# Altium PCB SI942C.PcbDoc (part 1 of 3) (continued)
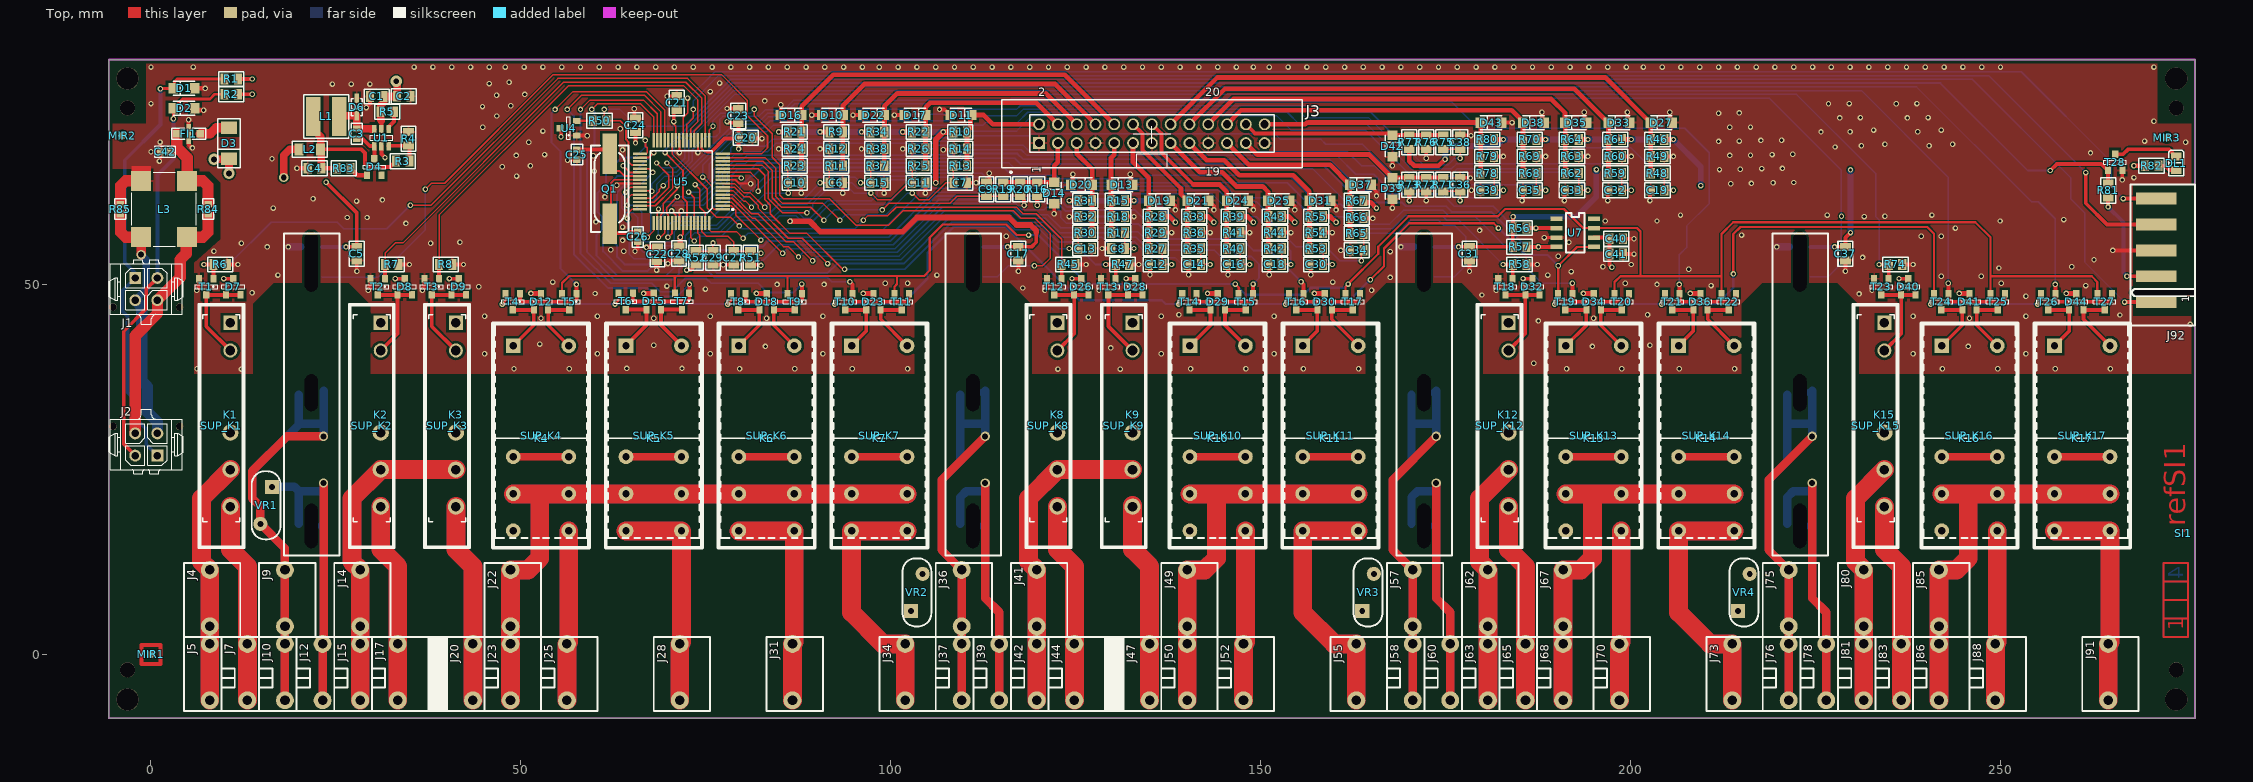
[diagram p0: Top view]
## Components (designator, comment, footprint, x,y, rotation, side; value= is the part's Value field where it differs from the comment) (continued)
K8 "RELAY_12VDC_1RT_34.51" RELAY_FINDER_34.51_+SUPPORT_93 121.285,30.88 r270 top
K9 "RELAY_12VDC_1RT_34.51" RELAY_FINDER_34.51_+SUPPORT_93 131.445,30.88 r270 top
K10 "RELAY_12VDC_1RT_BI_40.61.6" RELAY_FINDER_40.61_+SUPPORT_95 144.145,29.575 r0 top
K11 "RELAY_12VDC_1RT_BI_40.61.6" RELAY_FINDER_40.61_+SUPPORT_95 159.385,29.575 r0 top
K12 "RELAY_12VDC_1RT_34.51" RELAY_FINDER_34.51_+SUPPORT_93 182.245,30.88 r270 top
K13 "RELAY_12VDC_1RT_BI_40.61.6" RELAY_FINDER_40.61_+SUPPORT_95 194.945,29.575 r0 top
K14 "RELAY_12VDC_1RT_BI_40.61.6" RELAY_FINDER_40.61_+SUPPORT_95 210.185,29.575 r0 top
K15 "RELAY_12VDC_1RT_34.51" RELAY_FINDER_34.51_+SUPPORT_93 233.045,30.88 r270 top
K16 "RELAY_12VDC_1RT_BI_40.61.6" RELAY_FINDER_40.61_+SUPPORT_95 245.745,29.575 r0 top
K17 "RELAY_12VDC_1RT_BI_40.61.6" RELAY_FINDER_40.61_+SUPPORT_95 260.985,29.575 r0 top
L1 "SELF_10UH_1.19A_744043100" SELF_WE-TPC_4.8x4.78_(type4828) 23.685,72.707 r180 top
L2 "IND_FERRITE_1206_74279218" 1206_ReflowSoldering_FERRITE 21.463,68.263 r180 top
L3 "744272102" 744272102 1.778,60.198 r270 top
MIR1 "MIRE_PICK-N-PLACE" MIRE_PICK-N-PLACE_D1MM_VE3MM 0,0 r0 top
MIR2 "MIRE_PICK-N-PLACE" MIRE_PICK-N-PLACE_D1MM_VE3MM -3.873,70.104 r0 top
MIR3 "MIRE_PICK-N-PLACE" MIRE_PICK-N-PLACE_D1MM_VE3MM 272.415,69.85 r0 top
Q1 "QUARTZ_HC49/4HSMX_20M" QUARTZ_HC49_11.5X5_CMS 61.981,62.945 r270 top
R1 "RES_0805_1%_100PPM_0R" 0805_ReflowSoldering_RES 10.827,77.772 r180 top
R2 "RES_0805_1%_100PPM_0R" 0805_ReflowSoldering_RES 10.827,75.708 r180 top
R3 "RES_0805_1%_100PPM_47K" 0805_ReflowSoldering_RES 34.004,66.675 r180 top
R4 "RES_0805_1%_100PPM_9.1K" 0805_ReflowSoldering_RES 34.798,69.691 r270 top
R5 "RES_0805_1%_100PPM_10K" 0805_ReflowSoldering_RES 31.941,73.343 r180 top
R6 "RES_0805_1%_100PPM_10K" 0805_ReflowSoldering_RES 9.366,52.705 r180 top
R7 "RES_0805_1%_100PPM_10K" 0805_ReflowSoldering_RES 32.544,52.705 r180 top
R8 "RES_0805_1%_100PPM_10K" 0805_ReflowSoldering_RES 39.846,52.705 r180 top
R9 "RES_0805_1%_100PPM_10K" 0805_ReflowSoldering_RES 92.583,70.612 r180 top
R10 "RES_0805_1%_100PPM_10K" 0805_ReflowSoldering_RES 109.347,70.612 r180 top
R11 "RES_0805_1%_100PPM_22K" 0805_ReflowSoldering_RES 92.583,66.04 r180 top
R12 "RES_0805_1%_100PPM_6.8K" 0805_ReflowSoldering_RES 92.583,68.326 r0 top
R13 "RES_0805_1%_100PPM_22K" 0805_ReflowSoldering_RES 109.347,66.04 r180 top
R14 "RES_0805_1%_100PPM_6.8K" 0805_ReflowSoldering_RES 109.347,68.326 r0 top
R15 "RES_0805_1%_100PPM_10K" 0805_ReflowSoldering_RES 130.683,61.341 r0 top
R16 "RES_0805_1%_100PPM_10K" 0805_ReflowSoldering_RES 119.761,62.865 r270 top
R17 "RES_0805_1%_100PPM_22K" 0805_ReflowSoldering_RES 130.683,57.023 r0 top
R18 "RES_0805_1%_100PPM_6.8K" 0805_ReflowSoldering_RES 130.683,59.182 r180 top
R19 "RES_0805_1%_100PPM_22K" 0805_ReflowSoldering_RES 115.189,62.865 r270 top
R20 "RES_0805_1%_100PPM_6.8K" 0805_ReflowSoldering_RES 117.475,62.865 r90 top
R21 "RES_0805_1%_100PPM_10K" 0805_ReflowSoldering_RES 86.995,70.612 r180 top
R22 "RES_0805_1%_100PPM_10K" 0805_ReflowSoldering_RES 103.759,70.612 r180 top
R23 "RES_0805_1%_100PPM_22K" 0805_ReflowSoldering_RES 86.995,66.04 r180 top
R24 "RES_0805_1%_100PPM_6.8K" 0805_ReflowSoldering_RES 86.995,68.326 r0 top
R25 "RES_0805_1%_100PPM_22K" 0805_ReflowSoldering_RES 103.759,66.04 r180 top
R26 "RES_0805_1%_100PPM_6.8K" 0805_ReflowSoldering_RES 103.759,68.326 r0 top
R27 "RES_0805_1%_100PPM_22K" 0805_ReflowSoldering_RES 135.763,54.864 r0 top
R28 "RES_0805_1%_100PPM_10K" 0805_ReflowSoldering_RES 135.763,59.182 r0 top
R29 "RES_0805_1%_100PPM_6.8K" 0805_ReflowSoldering_RES 135.763,57.023 r180 top
R30 "RES_0805_1%_100PPM_22K" 0805_ReflowSoldering_RES 126.238,57.023 r180 top
R31 "RES_0805_1%_100PPM_10K" 0805_ReflowSoldering_RES 126.238,61.341 r180 top
R32 "RES_0805_1%_100PPM_6.8K" 0805_ReflowSoldering_RES 126.238,59.182 r0 top
R33 "RES_0805_1%_100PPM_10K" 0805_ReflowSoldering_RES 140.97,59.182 r0 top
R34 "RES_0805_1%_100PPM_10K" 0805_ReflowSoldering_RES 98.171,70.612 r180 top
R35 "RES_0805_1%_100PPM_22K" 0805_ReflowSoldering_RES 140.97,54.864 r0 top
R36 "RES_0805_1%_100PPM_6.8K" 0805_ReflowSoldering_RES 140.97,57.023 r180 top
R37 "RES_0805_1%_100PPM_22K" 0805_ReflowSoldering_RES 98.171,66.04 r180 top
R38 "RES_0805_1%_100PPM_6.8K" 0805_ReflowSoldering_RES 98.171,68.326 r0 top
R39 "RES_0805_1%_100PPM_10K" 0805_ReflowSoldering_RES 146.304,59.182 r0 top
R40 "RES_0805_1%_100PPM_22K" 0805_ReflowSoldering_RES 146.304,54.864 r0 top
R41 "RES_0805_1%_100PPM_6.8K" 0805_ReflowSoldering_RES 146.304,57.023 r180 top
R42 "RES_0805_1%_100PPM_22K" 0805_ReflowSoldering_RES 151.892,54.864 r0 top
R43 "RES_0805_1%_100PPM_10K" 0805_ReflowSoldering_RES 151.892,59.182 r0 top
R44 "RES_0805_1%_100PPM_6.8K" 0805_ReflowSoldering_RES 151.892,57.023 r180 top
R45 "RES_0805_1%_100PPM_10K" 0805_ReflowSoldering_RES 123.984,52.705 r180 top
R46 "RES_0805_1%_100PPM_10K" 0805_ReflowSoldering_RES 203.581,69.596 r0 top
R47 "RES_0805_1%_100PPM_10K" 0805_ReflowSoldering_RES 131.286,52.705 r180 top
R48 "RES_0805_1%_100PPM_22K" 0805_ReflowSoldering_RES 203.581,65.024 r0 top
R49 "RES_0805_1%_100PPM_6.8K" 0805_ReflowSoldering_RES 203.581,67.31 r180 top
R50 "RES_0805_1%_100PPM_1K" 0805_ReflowSoldering_RES 60.612,72.135 r0 top
R51 "RES_0805_1%_100PPM_10K" 0805_ReflowSoldering_RES 81.026,53.594 r270 top
R52 "RES_0805_1%_100PPM_10K" 0805_ReflowSoldering_RES 73.66,53.594 r270 top
R53 "RES_0805_1%_100PPM_22K" 0805_ReflowSoldering_RES 157.48,54.864 r0 top
R54 "RES_0805_1%_100PPM_6.8K" 0805_ReflowSoldering_RES 157.48,57.023 r180 top
R55 "RES_0805_1%_100PPM_10K" 0805_ReflowSoldering_RES 157.48,59.182 r0 top
R56 "RES_0805_1%_100PPM_10K" 0805_ReflowSoldering_RES 184.944,57.626 r180 top
R57 "RES_0805_1%_100PPM_10K" 0805_ReflowSoldering_RES 184.944,55.086 r180 top
R58 "RES_0805_1%_100PPM_10K" 0805_ReflowSoldering_RES 184.944,52.705 r180 top
R59 "RES_0805_1%_100PPM_22K" 0805_ReflowSoldering_RES 197.866,65.024 r0 top
R60 "RES_0805_1%_100PPM_6.8K" 0805_ReflowSoldering_RES 197.866,67.31 r180 top
R61 "RES_0805_1%_100PPM_10K" 0805_ReflowSoldering_RES 197.866,69.596 r0 top
R62 "RES_0805_1%_100PPM_22K" 0805_ReflowSoldering_RES 192.024,65.024 r0 top
R63 "RES_0805_1%_100PPM_6.8K" 0805_ReflowSoldering_RES 192.024,67.31 r180 top
R64 "RES_0805_1%_100PPM_10K" 0805_ReflowSoldering_RES 192.024,69.596 r0 top
R65 "RES_0805_1%_100PPM_22K" 0805_ReflowSoldering_RES 162.941,56.896 r0 top
R66 "RES_0805_1%_100PPM_6.8K" 0805_ReflowSoldering_RES 162.941,59.055 r180 top
R67 "RES_0805_1%_100PPM_10K" 0805_ReflowSoldering_RES 162.941,61.341 r0 top
R68 "RES_0805_1%_100PPM_22K" 0805_ReflowSoldering_RES 186.309,65.024 r0 top
R69 "RES_0805_1%_100PPM_6.8K" 0805_ReflowSoldering_RES 186.309,67.31 r180 top
R70 "RES_0805_1%_100PPM_10K" 0805_ReflowSoldering_RES 186.309,69.596 r0 top
R71 "RES_0805_1%_100PPM_22K" 0805_ReflowSoldering_RES 174.625,63.5 r270 top
R72 "RES_0805_1%_100PPM_6.8K" 0805_ReflowSoldering_RES 172.339,63.5 r90 top
R73 "RES_0805_1%_100PPM_10K" 0805_ReflowSoldering_RES 170.053,63.5 r270 top
R74 "RES_0805_1%_100PPM_10K" 0805_ReflowSoldering_RES 235.744,52.705 r180 top
R75 "RES_0805_1%_100PPM_22K" 0805_ReflowSoldering_RES 174.625,69.215 r270 top
R76 "RES_0805_1%_100PPM_6.8K" 0805_ReflowSoldering_RES 172.339,69.215 r90 top
R77 "RES_0805_1%_100PPM_10K" 0805_ReflowSoldering_RES 170.053,69.215 r270 top
R78 "RES_0805_1%_100PPM_22K" 0805_ReflowSoldering_RES 180.594,65.024 r0 top
R79 "RES_0805_1%_100PPM_6.8K" 0805_ReflowSoldering_RES 180.594,67.31 r180 top
R80 "RES_0805_1%_100PPM_10K" 0805_ReflowSoldering_RES 180.594,69.596 r0 top
R81 "RES_0805_1%_100PPM_10K" 0805_ReflowSoldering_RES 264.477,62.706 r270 top
R82 "RES_0805_1%_100PPM_1K" 0805_ReflowSoldering_RES 270.351,66.04 r0 top
R83 "RES_0805_1%_100PPM_0R" 0805_ReflowSoldering_RES 26.029,65.722 r180 top
R84 "RES_0603_1%_100PPM_0R" 0603_ReflowSoldering_RES 7.747,60.198 r270 top
R85 "RES_0603_1%_100PPM_0R" 0603_ReflowSoldering_RES -4.144,60.201 r270 top
SI1 "SI942C" CIRCUIT_IMPRIME_SI_STD 274.637,16.351 r90 top
SUP_K1 "RELAY-SUPPORT_93.11" RELAY-SUPPORT_FINDER_SERIE93 9.525,30.88 r90 top
SUP_K2 "RELAY-SUPPORT_93.11" RELAY-SUPPORT_FINDER_SERIE93 29.845,30.88 r90 top
SUP_K3 "RELAY-SUPPORT_93.11" RELAY-SUPPORT_FINDER_SERIE93 40.005,30.88 r90 top
SUP_K4 "RELAY-SUPPORT_95.15.2" RELAY-SUPPORT_FINDER_SERIE95 52.705,29.575 r0 top
SUP_K5 "RELAY-SUPPORT_95.15.2" RELAY-SUPPORT_FINDER_SERIE95 67.945,29.575 r0 top
SUP_K6 "RELAY-SUPPORT_95.15.2" RELAY-SUPPORT_FINDER_SERIE95 83.185,29.575 r0 top
SUP_K7 "RELAY-SUPPORT_95.15.2" RELAY-SUPPORT_FINDER_SERIE95 98.425,29.575 r0 top
SUP_K8 "RELAY-SUPPORT_93.11" RELAY-SUPPORT_FINDER_SERIE93 121.285,30.88 r90 top
SUP_K9 "RELAY-SUPPORT_93.11" RELAY-SUPPORT_FINDER_SERIE93 131.445,30.88 r90 top
SUP_K10 "RELAY-SUPPORT_95.15.2" RELAY-SUPPORT_FINDER_SERIE95 144.145,29.575 r0 top
SUP_K11 "RELAY-SUPPORT_95.15.2" RELAY-SUPPORT_FINDER_SERIE95 159.385,29.575 r0 top
SUP_K12 "RELAY-SUPPORT_93.11" RELAY-SUPPORT_FINDER_SERIE93 182.245,30.88 r90 top
SUP_K13 "RELAY-SUPPORT_95.15.2" RELAY-SUPPORT_FINDER_SERIE95 194.945,29.575 r0 top
SUP_K14 "RELAY-SUPPORT_95.15.2" RELAY-SUPPORT_FINDER_SERIE95 210.185,29.575 r0 top
SUP_K15 "RELAY-SUPPORT_93.11" RELAY-SUPPORT_FINDER_SERIE93 233.045,30.88 r90 top
SUP_K16 "RELAY-SUPPORT_95.15.2" RELAY-SUPPORT_FINDER_SERIE95 245.745,29.575 r0 top
SUP_K17 "RELAY-SUPPORT_95.15.2" RELAY-SUPPORT_FINDER_SERIE95 260.985,29.575 r0 top
T1 "ZXMN3A01F" SOT23_3L_ReflowSoldering 7.477,49.704 r90 top
T2 "ZXMN3A01F" SOT23_3L_ReflowSoldering 30.639,49.689 r90 top
T3 "ZXMN3A01F" SOT23_3L_ReflowSoldering 37.941,49.689 r90 top
T4 "ZXMN3A01F" SOT23_3L_ReflowSoldering 48.895,47.67 r90 top
T5 "ZXMN3A01F" SOT23_3L_ReflowSoldering 56.515,47.67 r90 top
T6 "ZXMN3A01F" SOT23_3L_ReflowSoldering 64.135,47.715 r90 top
T7 "ZXMN3A01F" SOT23_3L_ReflowSoldering 71.755,47.715 r90 top
T8 "ZXMN3A01F" SOT23_3L_ReflowSoldering 79.375,47.67 r90 top
T9 "ZXMN3A01F" SOT23_3L_ReflowSoldering 86.995,47.67 r90 top
T10 "ZXMN3A01F" SOT23_3L_ReflowSoldering 93.821,47.67 r90 top
T11 "ZXMN3A01F" SOT23_3L_ReflowSoldering 101.441,47.67 r90 top
T12 "ZXMN3A01F" SOT23_3L_ReflowSoldering 122.079,49.689 r90 top
T13 "ZXMN3A01F" SOT23_3L_ReflowSoldering 129.381,49.689 r90 top
T14 "ZXMN3A01F" SOT23_3L_ReflowSoldering 140.335,47.67 r90 top
T15 "ZXMN3A01F" SOT23_3L_ReflowSoldering 147.955,47.67 r90 top
T16 "ZXMN3A01F" SOT23_3L_ReflowSoldering 154.781,47.67 r90 top
T17 "ZXMN3A01F" SOT23_3L_ReflowSoldering 162.401,47.67 r90 top
T18 "ZXMN3A01F" SOT23_3L_ReflowSoldering 183.039,49.689 r90 top
T19 "ZXMN3A01F" SOT23_3L_ReflowSoldering 191.135,47.67 r90 top
T20 "ZXMN3A01F" SOT23_3L_ReflowSoldering 198.755,47.67 r90 top
T21 "ZXMN3A01F" SOT23_3L_ReflowSoldering 205.581,47.67 r90 top
T22 "ZXMN3A01F" SOT23_3L_ReflowSoldering 213.201,47.67 r90 top
T23 "ZXMN3A01F" SOT23_3L_ReflowSoldering 233.839,49.689 r90 top
T24 "ZXMN3A01F" SOT23_3L_ReflowSoldering 241.935,47.67 r90 top
T25 "ZXMN3A01F" SOT23_3L_ReflowSoldering 249.555,47.67 r90 top
T26 "ZXMN3A01F" SOT23_3L_ReflowSoldering 256.381,47.67 r90 top
T27 "ZXMN3A01F" SOT23_3L_ReflowSoldering 264.001,47.67 r90 top
T28 "ZXMN3A01F" SOT23_3L_ReflowSoldering 265.43,66.516 r270 top
U1 "LMR12010YMK" SOT23_6L 31.147,69.85 r270 top
U2 "SC943-0C" SI943C_REV_A 21.665,13.38 r90 top locked
U3 "SC943-0C" SI943C_REV_A 111.061,13.38 r90 top locked
U4 "NCP803SN308T1G" SOT23_3L_ReflowSoldering 56.421,71.12 r0 top
U5 "PIC16F946-I/PT" QFP_064_E0,50_10X10MM 71.665,63.898 r180 top
U6 "SC943-0C" SI943C_REV_A 172.021,13.38 r90 top locked
U7 "MIC4426YM" SOIC_08_E1,27_L150_ReflowSoldering 192.468,56.975 r270 top
U8 "SC943-0C" SI943C_REV_A 222.821,13.38 r90 top locked
VR1 "VDR_820572711" VDR_Serie_820_d7_h13_e5mm 15.557,20.161 r270 top
VR2 "VDR_820572711" VDR_Serie_820_d7_h13_e5mm 103.505,8.398 r90 top
VR3 "VDR_820572711" VDR_Serie_820_d7_h13_e5mm 164.465,8.398 r90 top
VR4 "VDR_820572711" VDR_Serie_820_d7_h13_e5mm 215.265,8.398 r90 top

## Footprints (in the part's own frame and the unit in brackets; to place one, negate y for a bottom-side part, rotate by r counter-clockwise, add the part's x,y. Pads: shape width x height; smd on the part's side, far side on the other; paste and mask are expansions set on the pad)
0603_ReflowSoldering_CAP [mil]
  rect 35x40 smd paste-5: 1(-26.4,0) 2(26.4,0)
  silkscreen extent -55,-30 55,30, body extent -31,-16 32,16, height 35
0603_ReflowSoldering_RES [mil]
  rect 35x40 smd paste-5: 1(-26.4,0) 2(26.4,0)
  silkscreen extent -55,-30 55,30, body extent -31,-16 31,16, height 22
0805_ReflowSoldering_CAP#1 [mil]
  rect 43x57 smd paste-3: 1(-36,0) 2(36,0)
  silkscreen extent -67,-39 67,39, body extent -39,-25 39,25, height 39
0805_ReflowSoldering_CAP#2 [mil]
  rect 43x57 smd paste-3: 1(-37,4.25) 2(36,0)
  silkscreen extent -67,-39 67,39, body extent -39,-25 39,25, height 39
0805_ReflowSoldering_RES [mil]
  rect 43x57 smd paste-3: 1(-36,0) 2(36,0)
  silkscreen extent -67,-39 67,39, body extent -39,-24 39,24, height 28
1206_ReflowSoldering_FERRITE [mil]
  rect 47x63 smd paste-3: 1(-57.09,0) 2(57.09,0)
  silkscreen extent -92,-43 92,43, body extent -63,-31 63,31, height 39
744272102 [mm] "IND_FERRITE_WE-SL5_2X1000UH"
  rect 2.7x2.7 smd mask+0.064: 1(-3.81,3.11) 2(3.81,3.11) 3(3.81,-3.11) 4(-3.81,-3.11)
  silkscreen extent -5,-4.35 5,4.35, body extent -5,-4.35 5,4.35, height 6.01
BRESS_FFKDS/V2-5,08_P1.3 [mm]
  round 2.413 hole 1.3: 1(3.5,1.43) 2(3.5,9.05)
  silkscreen extent 0,0 6.88,10, body extent 0,0 6.88,10, height 15.8
BRESS_FFKDSA1/V2-7,62_P1.3 [mm]
  round 2.413 hole 1.3: 1(3.5,1.43) 2(3.5,9.05)
  silkscreen extent 0,0 7.62,10, body extent 0,0 7.62,10, height 15.85
BRESS_FFKDSA/V2-7,62_P1.3 [mm]
  round 2.413 hole 1.3: 1(3.5,1.43) 2(3.5,9.05)
  silkscreen extent 0,0 9.42,10, body extent 0,0 9.42,10, height 15.8
CIRCUIT_IMPRIME_SI_STD [mm]
DO214BA-P [mil]
  rect 66x86 smd paste-3: A(82.68,0) K(-82.68,0)
  silkscreen extent -130,-60 130,60, body extent -103,-51 103,51, height 114
DO219AB-SMF-P_ReflowSoldering [mm]
  rect 1.3x1.4 smd paste-0.076: A(1.45,0) K(-1.45,0)
  silkscreen extent -1.45,-0.95 1.45,0.95, body extent -1.45,-0.95 1.45,0.95, height 0.99
EMB_ZEC_1893711_HOTE_NOBOTT [mm]
  rect 1.6x5.5 smd paste-25.4: 1(-7,0) 2(-3.5,0) 3(0,0) 4(3.5,0) 5(7,0)
  Top pour cut-out: -8.89,3.175 8.89,3.175 8.89,-5.715 -8.89,-5.715
  Bottom pour cut-out: -8.89,3.175 8.89,3.175 8.89,-5.715 -8.89,-5.715
  silkscreen extent -10.14,-5.25 8.89,3.45
IDC2P54_26P [mm] "Connector; Header; 13x2 Position"
  rect 1.6x1.6 hole 1.1 mask+0.051: 1(-15.24,-1.27)
  round 1.6 hole 1.1 mask+0.051: 2(-15.24,1.27) 3(-12.7,-1.27) 4(-12.7,1.27) 5(-10.16,-1.27) 6(-10.16,1.27) 7(-7.62,-1.27) 8(-7.62,1.27) 9(-5.08,-1.27) 10(-5.08,1.27) 11(-2.54,-1.27) 12(-2.54,1.27) 13(0,-1.27) 14(0,1.27) 15(2.54,-1.27) 16(2.54,1.27) 17(5.08,-1.27) 18(5.08,1.27) 19(7.62,-1.27) 20(7.62,1.27) 21(10.16,-1.27) 22(10.16,1.27) 23(12.7,-1.27) 24(12.7,1.27) 25(15.24,-1.27) 26(15.24,1.27)
  silkscreen extent -20.32,-5.33 20.32,4.6, body extent -20.34,-4.55 20.34,4.55, height 8.86
LED_0805_KPx_Green [mil]
  rect 43x57 smd paste-3: A(36,0) K(-36,0)
  silkscreen extent -69,-39 67,39, body extent -40,-25 40,25, height 43
MICRO-MATE-N-LOK_WURTH+TYCO_2X02_D [mm]
  rect 1.6x1.6 hole 1: 1(1.5,-1.5)
  round 1.6 hole 1: 2(-1.5,-1.5) 3(1.5,1.5) 4(-1.5,1.5)
  round 1 hole 1 unplated: FIX1(-4.5,2.44) FIX2(4.5,2.44)
  silkscreen extent -5,-3.94 5,4.73, body extent -5,-3.94 5,4.73, height 9.3
MIRE_PICK-N-PLACE_D1MM_VE3MM [mm]
  round 1 smd paste-25.4 mask+1: 1(0,0)
NFE31P [mil]
  rect 40x40 smd paste-3: 1(-62.5,0) 3(62.5,0)
  rect 24x106 smd paste-3 mask+4: 2(0,0)
  silkscreen extent -90,-30 90,30
QFP_064_E0,50_10X10MM [mm]
  rect 1.905x0.33 smd paste-0.076 mask+0.102: 1(-5.6,3.75) 2(-5.6,3.25) 3(-5.6,2.75) 4(-5.6,2.25) 5(-5.6,1.75) 6(-5.6,1.25) 7(-5.6,0.75) 8(-5.6,0.25) 9(-5.6,-0.25) 10(-5.6,-0.75) 11(-5.6,-1.25) 12(-5.6,-1.75) 13(-5.6,-2.25) 14(-5.6,-2.75) 15(-5.6,-3.25) 16(-5.6,-3.75) 33(5.6,-3.75) 34(5.6,-3.25) 35(5.6,-2.75) 36(5.6,-2.25) 37(5.6,-1.75) 38(5.6,-1.25) 39(5.6,-0.75) 40(5.6,-0.25) 41(5.6,0.25) 42(5.6,0.75) 43(5.6,1.25) 44(5.6,1.75) 45(5.6,2.25) 46(5.6,2.75) 47(5.6,3.25) 48(5.6,3.75)
  rect 0.33x1.905 smd paste-0.076 mask+0.102: 17(-3.75,-5.6) 18(-3.25,-5.6) 19(-2.75,-5.6) 20(-2.25,-5.6) 21(-1.75,-5.6) 22(-1.25,-5.6) 23(-0.75,-5.6) 24(-0.25,-5.6) 25(0.25,-5.6) 26(0.75,-5.6) 27(1.25,-5.6) 28(1.75,-5.6) 29(2.25,-5.6) 30(2.75,-5.6) 31(3.25,-5.6) 32(3.75,-5.6) 49(3.75,5.6) 50(3.25,5.6) 51(2.75,5.6) 52(2.25,5.6) 53(1.75,5.6) 54(1.25,5.6) 55(0.75,5.6) 56(0.25,5.6) 57(-0.25,5.6) 58(-0.75,5.6) 59(-1.25,5.6) 60(-1.75,5.6) 61(-2.25,5.6) 62(-2.75,5.6) 63(-3.25,5.6) 64(-3.75,5.6)
  silkscreen extent -7.06,-4.19 4.19,4.19, body extent -6,-6 6.02,6.02, height 1.1
QUARTZ_HC49_11.5X5_CMS [mil] "HC49/4H SMX"
  rect 216x77 smd paste-3: 1(-187.01,0) 2(187.01,0)
  silkscreen extent -230,-100 230,100, body extent -264,-96 264,96, height 200
RELAY-SUPPORT_FINDER_SERIE93 [mm]
  silkscreen extent -16.5,-3.1 16.5,3.1
RELAY-SUPPORT_FINDER_SERIE95 [mm]
  silkscreen extent -6.5,-15.15 6.5,15.15, body extent -6.5,-15.15 6.5,15.15, height 9.5
RELAY_FINDER_34.51_+SUPPORT_93 [mm]
  round 2.2 hole 1.3: 11(5.9,1.2) 12(0.9,1.2) 14(10.9,1.2)
  round 1.9 hole 1.3: A1(-10.2,1.2)
  rect 1.9x1.9 hole 1.3: A2(-13.95,1.2)
  silkscreen extent -16.5,-3.1 16.5,3.1, body extent -16.42,-3.1 16.58,3.1, height 28.9
RELAY_FINDER_40.61_+SUPPORT_95 [mm]
  round 2 hole 1: 11(-3.75,-7.85) 12(-3.75,-2.85) 14(-3.75,-12.85) 21(3.75,-7.85) 22(3.75,-2.85) 24(3.75,-12.85) A2(3.75,12.15)
  rect 2x2 hole 1: A1(-3.75,12.15)
  silkscreen extent -6.5,-15.15 6.5,15.15, body extent -6.5,-15.15 6.5,15.15, height 34.5
SELF_WE-TPC_4.8x4.78_(type4828) [mm]
  rect 2x5.3 smd paste-0.102: 1(-1.75,0) 2(1.75,0)
  silkscreen extent -3.05,-2.92 3.05,2.92, body extent -2.4,-2.4 2.4,2.4, height 2.79
SI943C_REV_A [mm] "créé par FB (17/06/13) = copie de SI943B_REV_B + Step 3d MAJ"
  rect 0x0 hole 1.8 slot 6 at 0 deg unplated paste-25.4: 1(4,0)
  rrect40% 3.5x1.69 smd far side: 1TR(22,-1.405) 2TR(22,1.405) 3TR(4,-1.405) 4TR(4,1.405)
  rrect40% 2.4x1.69 smd far side: 1UC(41.7,-1.405) 2UC(37.7,-1.405)
  rect 0x0 hole 1.8 slot 5 at 0 deg unplated paste-25.4: 3(22,0)
  rrect40% 3x1.69 smd far side: 3UC(41.7,1.405)
  rect 0x0 hole 1.8 slot 8.1 at 0 deg unplated paste-25.4: 4(39.7,0)
  Top pour cut-out: -4.5,7.9 34.01,7.9 36.83,5.08 36.83,-5.08 33.91,-8 -4.5,-8
  MidLayer1 pour cut-out: -4.5,7.9 34.01,7.9 36.83,5.08 36.83,-5.08 33.91,-8 -4.5,-8
  MidLayer2 pour cut-out: -4.5,7.9 34.01,7.9 36.83,5.08 36.83,-5.08 33.91,-8 -4.5,-8
  Bottom pour cut-out: 43.561,-2.667 36.83,-2.667 36.83,2.413 40.513,2.413 40.513,0.635 43.561,0.635
  Bottom pour cut-out: -4.5,7.9 34.01,7.9 36.83,5.08 36.83,-5.08 33.91,-8 -4.5,-8
  silkscreen extent 0,-3.81 43.5,3.7, body extent 0.01,-3.46 43.52,3.15, height 13.43
SOD323_ReflowSoldering [mm]
  rect 1.27x0.61 smd paste-0.076: A(1.175,0) K(-1.175,0)
  silkscreen extent -1.14,-0.76 1.14,0.76, body extent -1.3,-0.67 1.3,0.68, height 1.1
SOIC_08_E1,27_L150_ReflowSoldering [mil]
  rect 24x63 smd paste-3: 1(-75,-100) 2(-25,-100) 3(25,-100) 4(75,-100) 5(75,100) 6(25,100) 7(-25,100) 8(-75,100)
  silkscreen extent -105,-50 105,50, body extent -98,-122 98,122, height 69
SOT23_3L_ReflowSoldering [mil]
  rect 40x32 smd paste-3: 1(43.31,-38.39) 2(43.31,38.39)
  rect 40x34 smd paste-3: 3(-43.31,0)
  silkscreen extent -10,-60 10,60, body extent -55,-57 55,57, height 41
SOT23_6L [mil]
  rect 44x24 smd paste-3: 1(45.28,-37.4) 2(45.3,0) 3(45.28,37.4) 4(-45.28,37.4) 5(-45.28,0) 6(-45.28,-37.4)
  silkscreen extent -13,-60 14,60, body extent -59,-59 59,59, height 51
VDR_Serie_820_d7_h13_e5mm [mm]
  rect 1.905x1.905 hole 0.8: 1(-2.5,0.78)
  round 1.905 hole 0.8: 2(2.5,-0.78)
  silkscreen extent -4.6,-1.94 4.6,1.94, body extent -4.49,-1.79 4.49,1.79, height 13.48

## Part data
C1 C5 C6 C7 C8 C9 C10 C11 C12 C13 C14 C15 C16 C17 C18 C19 C20 C21 C22 C23 C24 C28 C30 C31 C32 C33 C34 C35 C36 C37 C38 C39 C40: "Condensateur céramique, X7R, 10%, CMS 0805"
C2 C4 C41: "Condensateur céramique, X5R, 10%, CMS 0805"
C3: "Condensateur céramique, X7R, 10%, CMS 0603"
C25 C26: "Condensateur céramique, NPO, 5%, CMS 0603, 18pF/50V"
C27 C29: "Condensateur céramique, NPO, 5%, CMS 0805"
C42: "Multilayer Ceramic Capacitors MLCC - SMD/SMT 50volts 220pF C0G 5%"
D1 D2 D10 D11 D13 D14 D16 D17 D19 D20 D21 D22 D24 D25 D27 D31 D33 D35 D37 D38 D39 D42 D43: "Diode Transil/TVS unidirectionnelle (A), 200W, 5V, CMS"
D3: "Diode de Redressement, Vrrm=100V, If=1A, Vf=1.1V, CMS"
D4 D7 D8 D9 D12 D15 D18 D23 D26 D28 D29 D30 D32 D34 D36 D40 D41 D44: "Diode Schottky double, BAT54 cathode com, Vrrm=30V, If=300mA, Vf=0.4Vmax, CMS"
D6: "Diode Schottky, Vrrm=20V, If=2A, Vf=450V, CMS"
DL1: "LED CMS 0805, Vert, Vf 2.5V@20mA (4-15mCd), 525nm, vue 120°"
FI1: "Filtre EMI selfique-capacitif, -20/+50%, 25Vcc/6A, -40/+85°C, 220pF"
J1 J2: "Embase type Micro Mate-n-Lok, e3mm, 4pts, droit, cont. étamés 20mR, 250V/5A, Iso 1500V, -40/+105°C"
J3: library part "Header 13X2", "26 Positions Header, Shrouded Connector 0.100\" (2.54mm) Through Hole Gold"
J4 J9 J14 J17 J22 J25 J28 J31 J36 J41 J44 J49 J52 J57 J62 J67 J70 J75 J80 J85 J88 J91: "Bornier à connexion par ressorts/déconnexion par levier, série FFKDSA1/V2, e7.62, 1x1pts, droit, juxtaposable, 500V/17.5A, AWG22~16, Vert/Orange"
J5 J7 J10 J12 J15 J20 J37 J39 J42 J47 J58 J60 J63 J65 J76 J78 J81 J83: "Bornier à connexion par ressorts/déconnexion par levier, série FFKDS/V2, e5.08, 1x1pts, droit, juxtaposable, 320V/15A, AWG22~16, Vert/Orange"
J23 J34 J50 J55 J68 J73 J86: "Bornier à connexion par ressorts/déconnexion par levier, série FFKDSA/V2, e7.62, 1x1pts, droit, juxtaposable, 500V/17.5A, AWG22~16, Vert/Orange"
J92: "Implantation CI pour connecteur ZEC 1,0/5-ST-3,5 C1 R1,5 (ref 1893711)"
K1 K2 K3 K8 K9 K12 K15: "Relais 1RT, 12Vdc, série 34.51, Rc=1940R, Sw:250Vac/6A, Ron=? (AgSnO2)"
K4 K5 K6 K7 K10 K11 K13 K14 K16 K17: "Relais 1RT, 12Vdc, série 40.61.6 (bistable), Rc=900R, Sw:250Vac/16A, Ron=? (AgSnO2)"
L1: "Inductance bobinée CMS, 10uH +/- 10%, I=1.19A, Rdc=0.095R, SRF=40MHz, -40/+85°C"
L2: "Inductance à ferrite multicouches CMS, imp=600R@100MHz, +/-25%, Rdc=100mR, I=2A"
L3: library part IND_FERRITE_WE-SL5_2X1000UH, "Common Mode Filters / Chokes WE-SL5 Bifilar 2x1000uH 950mA"
MIR1 MIR2 MIR3: "Mire pour machine de placement CMS \"Pick'n Place\""
Q1: "Quartz CMS série HCM49 (équiv HC49/US), -10/+60°C, +/-30ppm, 18pF"
R1 R2 R3 R4 R5 R6 R7 R8 R9 R10 R11 R12 R13 R14 R15 R16 R17 R18 R19 R20 R21 R22 R23 R24 R25 R26 R27 R28 R29 R30 R31 R32 R33 R34 R35 R36 R37 R38 R39 R40 R41 R42 R43 R44 R45 R46 R47 R48 R49 R50 R51 R52 R53 R54 R55 R56 R57 R58 R59 R60 R61 R62 R63 R64 R65 R66 R67 R68 R69 R70 R71 R72 R73 R74 R75 R76 R77 R78 R79 R80 R81 R82 R83: "Résistance CMS 0805, 0.125W, 1%, 100ppm, 150V"
R84 R85: "Résistance, 0.100W, 1%, 100ppm, 75V, 0R"
SI1: library part CIRCUIT_IMPRIME_MODEL, "Circuit Imprimé"
SUP_K1 SUP_K2 SUP_K3 SUP_K8 SUP_K9 SUP_K12 SUP_K15: "Suppor série 93 pour relais Finder séries 34, 250V/6A, Bleu"
SUP_K4 SUP_K5 SUP_K6 SUP_K7 SUP_K10 SUP_K11 SUP_K13 SUP_K14 SUP_K16 SUP_K17: "Suppor série 95 pour relais Finder séries 40, 250V/10A, Bleu, sans Etrier"
T1 T2 T3 T4 T5 T6 T7 T8 T9 T10 T11 T12 T13 T14 T15 T16 T17 T18 T19 T20 T21 T22 T23 T24 T25 T26 T27 T28: "Transistor MOSN logique, Vdss=30V, Id=2A, Rdson=0.12R, CMS"
U1: "Régulateur ajustable step down, 0.8~20V, 1A, Vin=3~20V, -40/+125°C, CMS"
U2 U3 U6 U8: "Carte gradateur"
U4: "Superviseur de Reset pour microcontrolleur 3.08V -Pin SOT-23, CMS"
U5: "Microcontrôleur 8bit"
U7: "Dual High-Speed 1.5A MOSFET Driver, CMS"
VR1 VR2 VR3 VR4: "Varistance disque 275Vac, 350Vdc, 33J, Vbreak=430V@1mA, Vclamp=710V@10A, Ipeak=1200A"

## Free pads (board coordinates)
  round 3 hole 3 unplated: 0(-3.175,-6.08) 0(-3.175,77.84) 0(273.685,-6.08) 0(273.685,77.84)
  round 2 hole 2 unplated: 0(-3.175,-2.08) 0(-3.175,73.84) 0(273.685,-2.08) 0(273.685,73.84)
  round 0.508 smd: EndPad(117.983,60.706) StartPad(117.475,61.951)

## Via types
v1: diameter 0.737, hole 0.432, Top to Bottom, 581 vias
v2: diameter 1.27, hole 0.8, Top to Bottom, 10 vias
v3: diameter 1.524, hole 0.8, Top to Bottom, 3 vias

## Nets (pads, with @x,y where several pads share a name; then routed paths per layer and width w, separated by ;. In a path a pad name is that pad's centre, name@x,y a point inside that pad or via, vN(x,y) a via of type N, cw(c..) or ccw(c..) an arc to the next point about the centre after c; other vN are vias at no path point)
+5V: C5.1 C17.1 C20.1 C21.2 C22.2 C23.2 C24.2 C28.2 C31.1 C37.1 J92.2 L2.2 R51.2 R52.2 R56.2 R57.2 R81.2 U2.1UC U3.1UC U4.3 U5.10 U5.19 U5.26 U5.38 U5.57 U6.1UC U8.1UC | length 158.9
  Top w0.254: v1(63.787,66.039) 64.679,65.148 U5.38@66.065,65.148 ; v1(70.645,72.008) 70.645,71.659 70.915,71.389 U5.26@70.915,69.498 ; v1(71.534,56.387) 71.915,56.768 U5.57@71.915,58.298 ; U5.19@74.415,69.498 74.415,68.366 74.836,67.944 75.217,67.944 ; U5.10@77.265,64.648 79.54,64.648 79.756,64.432 v1(79.756,64.389)
  Top w0.508: v1(23.654,63.817) 27.819,59.652 C5.1@27.819,55.086 v1(26.352,55.086) ; v1@55.448,70.019 U4.3@55.448,71.119 ; v1(65.474,69.136) C24.2@65.474,70.603 ; v1(70.645,72.008) 70.645,73.235 C21.2@71.03,73.619 ; v1(72.39,51.943) 72.923,51.943 R52.2@73.66,52.68 ; 75.217,67.944 75.725,67.944 77.503,69.722 C20.1@79.383,69.722 ; v1(77.851,72.009) 78.003,71.857 C23.2@79.375,71.857 79.383,71.849 C20.1@79.383,69.722 ; v1@79.383,68.351 C20.1@79.383,69.722 ; R51.2@81.026,52.68 82.321,52.68 v1(82.423,52.578) ; v1(115.749,55.086) C17.1@117.216,55.086 118.999,55.086 119.634,55.721 119.634,57.023 ; v1(176.709,55.086) C31.1@178.176,55.086 R57.2@184.029,55.086 R56.2@184.029,57.626 184.074,57.671 v1(184.074,59.157) ; v1(227.509,55.086) C37.1@228.976,55.086 228.976,56.332 v1(229.667,57.023) ; v1(264.477,60.484) R81.2@264.477,61.792 ; v1(267.017,51.117) 267.025,51.11 J92.2@270.975,51.11
  Top w0.762: v1(66.954,55.016) C22.2@68.453,55.016 ; C28.2@71.534,55.283 v1(71.534,56.387) ; v1(86.36,58.547) 89.027,58.547 90.424,57.15 101.6,57.15 103.505,59.055 115.951,59.055 116.967,58.039 118.872,58.039 119.634,57.277 119.634,57.023
  Top w1.016: v2(17.939,64.453) 17.939,67.469 18.732,68.263 L2.2@20.013,68.263
  Bottom w0.508: U2.1UC@23.07,55.08 26.346,55.08 v1(26.352,55.086) ; U3.1UC@112.467,55.08 115.743,55.08 v1(115.749,55.086) ; U6.1UC@173.427,55.08 176.703,55.08 v1(176.709,55.086) ; U8.1UC@224.227,55.08 227.503,55.08 v1(227.509,55.086) ; v1(264.477,60.484) 266.541,58.42 266.541,51.594 v1(267.017,51.117)
  Bottom w0.762: v1(184.074,59.157) 192.634,59.157 195.326,61.849 v1(195.326,65.532) ; v1(229.667,57.023) v1(229.667,65.481)
  other v1: 79.408,68.325 55.405,69.976
+12V: C1.1 C2.2 C40.1 C41.2 D3.K D7.3 D8.3 D9.3 D12.3 D15.3 D18.3 D23.3 D26.3 D28.3 D29.3 D30.3 D32.3 D34.3 D36.3 D40.3 D41.3 D44.3 K1.A2 K2.A2 K3.A2 K8.A2 K9.A2 K12.A2 K15.A2 R5.2 R9.2 R10.2 R15.2 R16.2 R21.2 R22.2 R28.2 R31.2 R33.2 R34.2 R39.2 R43.2 R46.2 R55.2 R61.2 R64.2 R67.2 R70.2 R73.2 R77.2 R80.2 R82.1 U1.5 U7.6 | length 164.7
  Top w0.508: v1(9.842,50.8) 9.854,50.789 D7.3@11.112,50.789 ; U1.5@31.147,71 31.147,72.136 ; v1(33.02,50.8) 33.031,50.789 D8.3@34.29,50.789 ; v1(40.322,50.8) 40.334,50.789 D9.3@41.593,50.789 ; v1(124.46,50.8) 124.471,50.789 D26.3@125.73,50.789 ; v1(131.762,50.8) 131.774,50.789 D28.3@133.032,50.789 ; v1(185.42,50.8) 185.431,50.789 D32.3@186.69,50.789 ; U7.6@195.008,56.34 196.952,56.34 C40.1@197.11,56.182 C41.2@197.11,54.118 197.11,52.651 v1(197.429,52.332) ; v1(236.22,50.8) 236.231,50.789 D40.3@237.49,50.789
  Top w0.635: v1(51.333,48.788) 52.687,48.788 D12.3@52.705,48.77 ; v1(66.573,48.788) 67.927,48.788 D15.3@67.945,48.77 ; v1(81.813,48.788) 83.167,48.788 D18.3@83.185,48.77 ; v1(84.836,70.612) R21.2@86.081,70.612 ; v1(90.424,70.612) R9.2@91.669,70.612 ; v1(96.012,70.612) R34.2@97.257,70.612 ; v1(96.26,48.788) D23.3@97.614,48.788 ; v1(119.761,60.706) R16.2@119.761,61.951 ; v1(124.079,61.341) R31.2@125.324,61.341 ; R15.2@131.597,61.341 v1(132.842,61.341) ; R28.2@136.677,59.182 137.668,59.182 v1(138.43,58.42) ; R33.2@141.884,59.182 142.875,59.182 v1(143.637,58.42) ; v1(142.773,48.788) 144.127,48.788 D29.3@144.145,48.77 ; R39.2@147.218,59.182 148.209,59.182 v1(148.971,58.42) ; R43.2@152.806,59.182 153.797,59.182 v1(154.559,58.42) ; v1(157.22,48.788) 158.574,48.788 D30.3@158.591,48.77 ; R55.2@158.394,59.182 159.385,59.182 v1(160.147,58.42) ; R67.2@163.855,61.087 164.846,61.087 v1(165.608,60.325) ; v1(170.053,61.341) R73.2@170.053,62.586 ; R77.2@170.053,68.301 170.053,66.675 170.688,66.04 173.99,66.04 v1(174.879,66.929) ; R80.2@181.508,69.596 v1(182.753,69.596) ; R70.2@187.223,69.596 v1(188.468,69.596) ; R64.2@192.938,69.596 v1(194.183,69.596) ; v1(193.573,48.788) 194.927,48.788 D34.3@194.945,48.77 ; R61.2@198.78,69.596 v1(200.025,69.596) ; R46.2@204.495,69.596 v1(205.74,69.596) ; v1(208.02,48.788) 209.374,48.788 D36.3@209.391,48.77 ; v1(244.373,48.788) 245.727,48.788 D41.3@245.745,48.77 ; v1(258.82,48.788) D44.3@260.174,48.788 ; v1(267.97,66.04) R82.1@269.437,66.04
  Top w0.762: v1(101.6,70.612) R22.2@102.845,70.612 ; v1(106.045,63.754) 106.045,69.596 v1(107.061,70.612) R10.2@108.433,70.612
  Top w1.016: v3@8.477,66.913 10.482,66.913 D3.K@10.541,66.972 v3@10.541,65.008 ; 31.147,72.136 31.026,72.257 R5.2@31.026,73.343 31.026,74.222 31.426,74.622 C1.1@31.426,75.406 33.217,75.406 C2.2@33.249,75.438 v3@33.249,76.987
  Bottom w0.762: v1(84.836,70.612) v1(90.424,70.612) v1(96.012,70.612) v1(101.6,70.612) v1(107.061,70.612) ; v1(124.079,61.341) v1(132.842,61.341) 135.509,61.341 v1(138.43,58.42) ; v1(174.879,66.929) 174.879,67.818 175.768,68.707 181.864,68.707 v1(182.753,69.596) v1(188.468,69.596) v1(194.183,69.596) v1(200.025,69.596) v1(205.74,69.596) 209.423,65.913 v1(209.423,63.373)
  other v3: 10.541,65.024 8.509,66.913 33.147,77.47
+VBUS: J1.4 J2.4 L3.2 R84.2 | length 28.2
  Top w1.524: J2.4@-2.135,29.88 -2.135,43.077 0.865,46.077 J1.4@0.865,47.88 3.937,50.952 3.937,53.34 4.761,54.164 L3.2@4.761,55.245
+VIN: C42.2 FI1.1 L3.1 R84.1 | length 8.1
  Top w1: C42.2@2.576,67.945 2.921,67.945 3.492,68.516
  Top w1.524: FI1.1@3.492,70.358 3.492,68.516 4.888,67.121 L3.1@4.888,64.008
\M\C\L\R\/VPP: J92.1 R50.2 U5.36 | length 242.6
  Top w0.254: v1(61.247,73.659) 61.247,72.415 R50.2@61.526,72.135 63.442,72.135 64.204,71.373 64.204,69.613 64.521,69.295 64.521,66.596 64.97,66.148 U5.36@66.065,66.148
  Top w0.508: v1(266.7,47.625) 270.96,47.625 J92.1@270.975,47.61
  Bottom w0.203: v1(61.247,73.659) 63.374,73.659 65.659,71.374 72.009,71.374 78.359,77.724 246.126,77.724 259.397,64.453 259.397,61.595 261.303,59.69 261.303,53.023 v1(266.7,47.625)